# KiCad board s100_ColorMagic-1.1-006.kicad_pcb (continued)
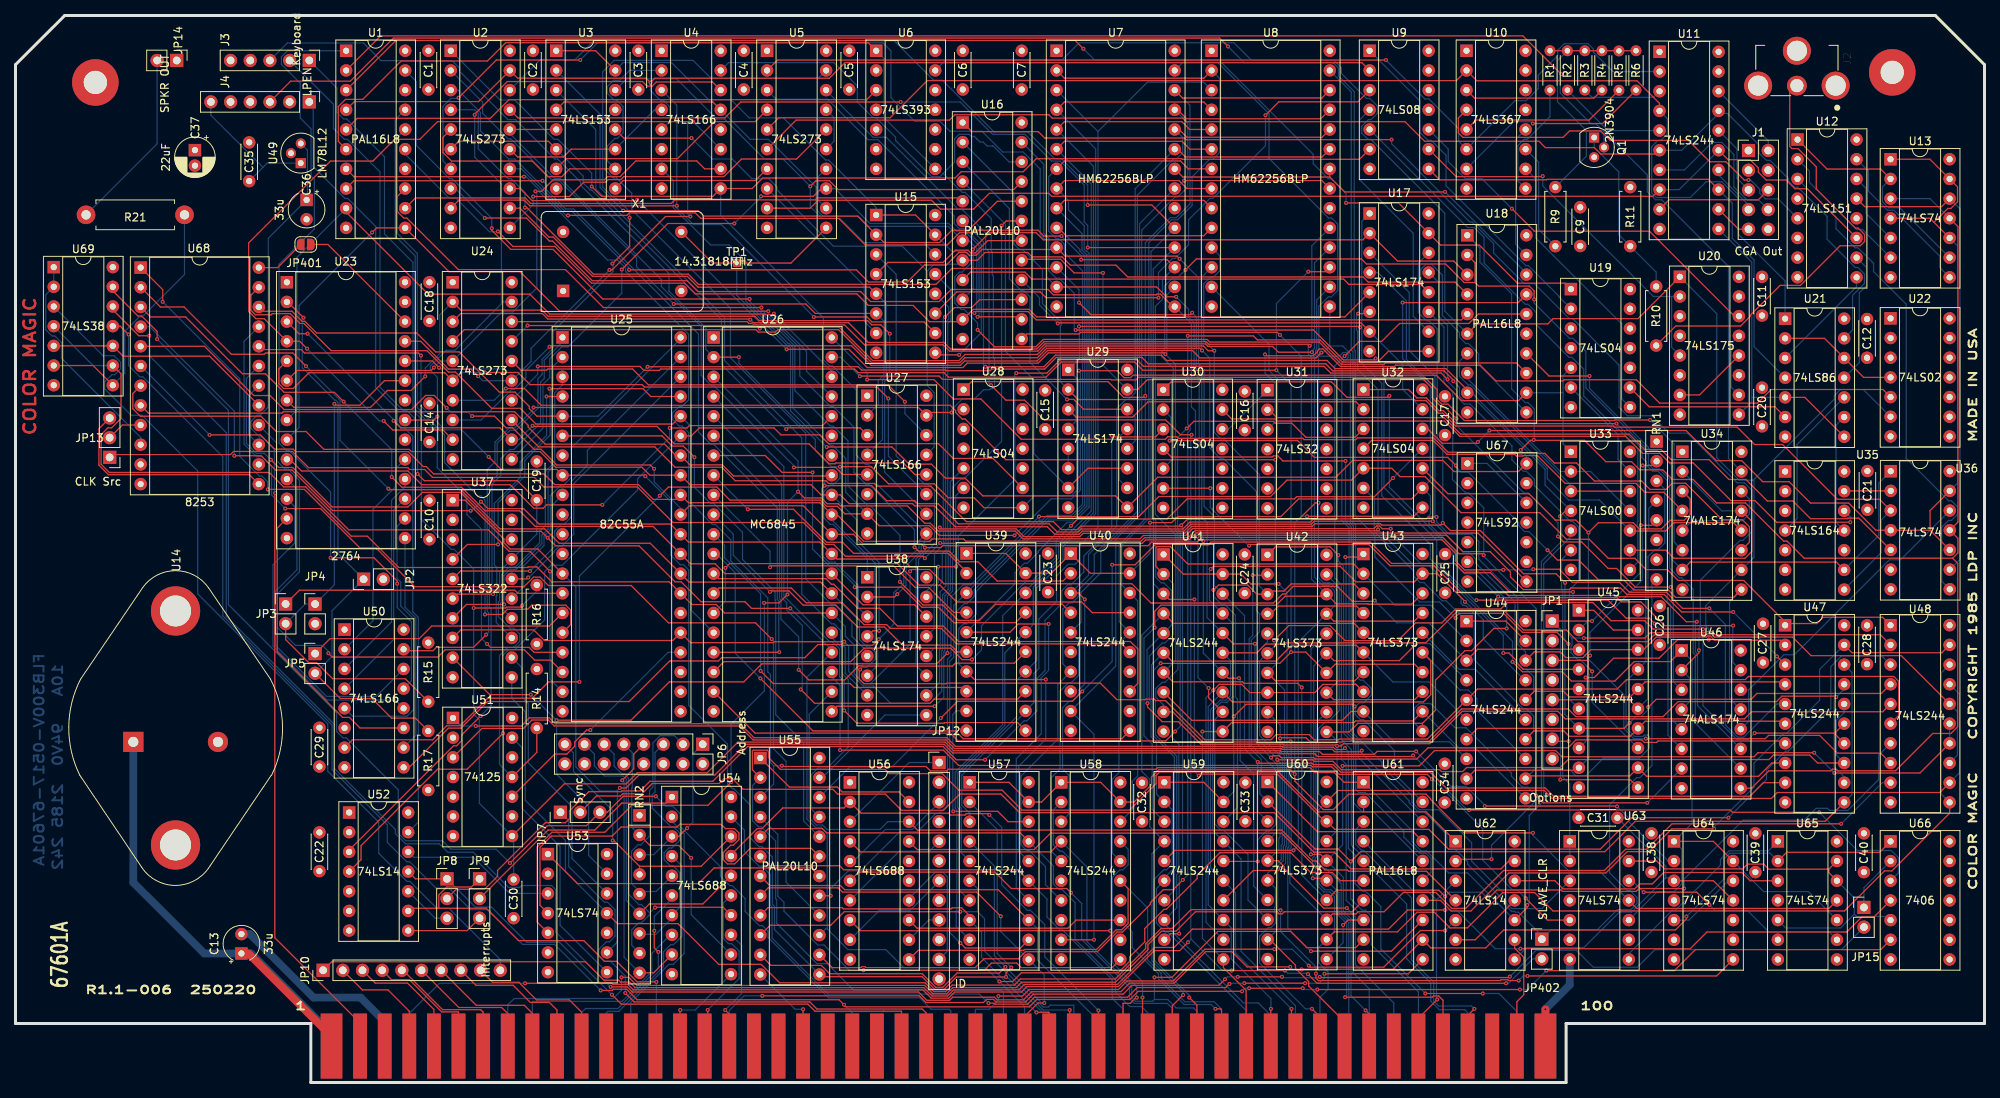
[diagram p0: board, top side]
## Routing (per net, layer and track width the routed paths; a pad name or vN(x,y) marks a point on that pad's centre or on a via; arc(x,y) is an arc through that point) (continued)
Net-(U64-Pad12): length 9.7
  Copper w0.152: U64.5 215.88,20.96 220.96,26.04 U64.12
Net-(U67-Pad1): length 9.7
  Copper w0.152: U67.12 189.84,79.89 U67.1
Net-(U68-Pad10): length 28.6
  Copper w0.152: U68.10 16.15,83.26 5.94,93.47 5.94,95.49 5.08,96.34 4.72,96.34 3.89,97.17 3.89,101.65 U69.2 U69.1
Net-(U68-Pad17): length 29.6
  Component w0.152: U68.17 25.04,93.73 13.89,93.73 U69.10 U69.5

## Copper pours and planes (outline as drawn; the poured copper is in the pictures)
GND on In2.Cu: 237.7,125.86 252.7,125.86 252.5,9.88 1.7,9.88 1.7,124.45 14.9,124.45 14.9,136.15 237.7,136.25
VCC on In1.Cu: 237.65,125.86 252.65,125.86 252.45,9.88 1.65,9.88 1.65,124.45 14.85,124.45 14.85,136.15 237.65,136.25

## Text on the board
Copper: FLB300V-0517-67601A | 10A   94V0  2185 242
Component: COLOR MAGIC
F.Silkscreen: SLAVE_CLR | 1 | 100 | R1.1-006  250220 | MADE IN USA | COPYRIGHT 1985 LDP INC | COLOR MAGIC | 67601A
